# Altium PCB BMS_Slave_12S V0.1.PcbDoc (part 1 of 2)
Units mm, origin at the board's own origin, x right, y up, seen from the top; angles counter-clockwise.
Board outline 54 x 106.3 mm, 4 copper layers (Top Layer, Int1 (GND), Int2 (PWR), Bottom Layer), stack 1.56 mm thick; 199 components, 148 nets, 515 pads, 193 vias.
Unrouted connection lines stored in the file: 50.
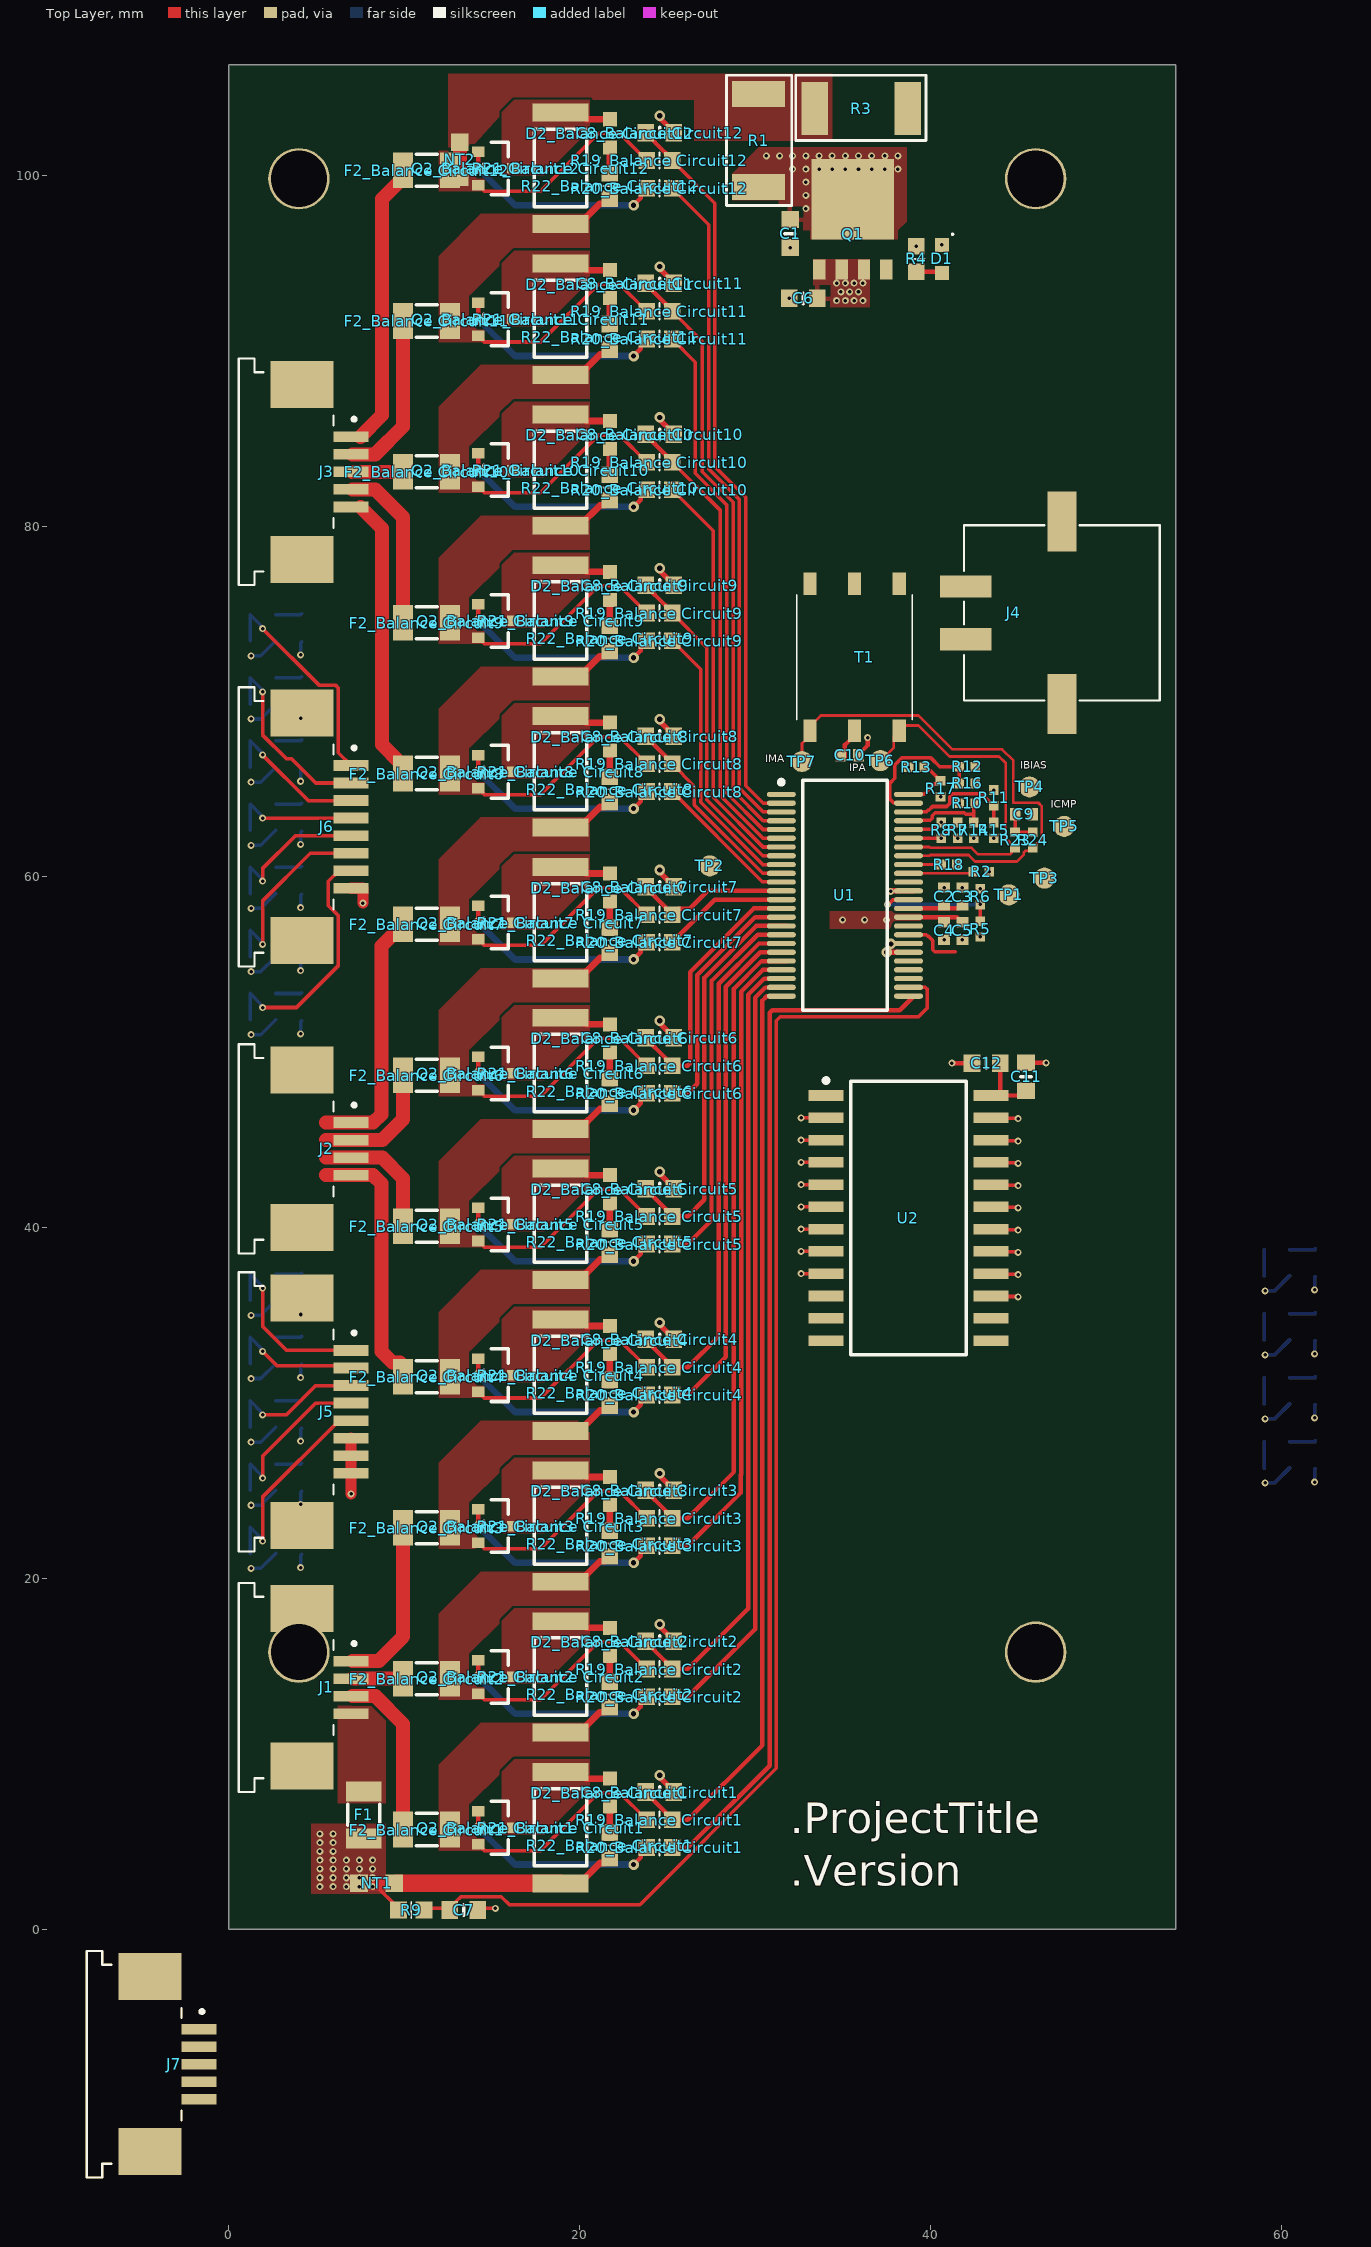
[diagram p0: Top Layer view]
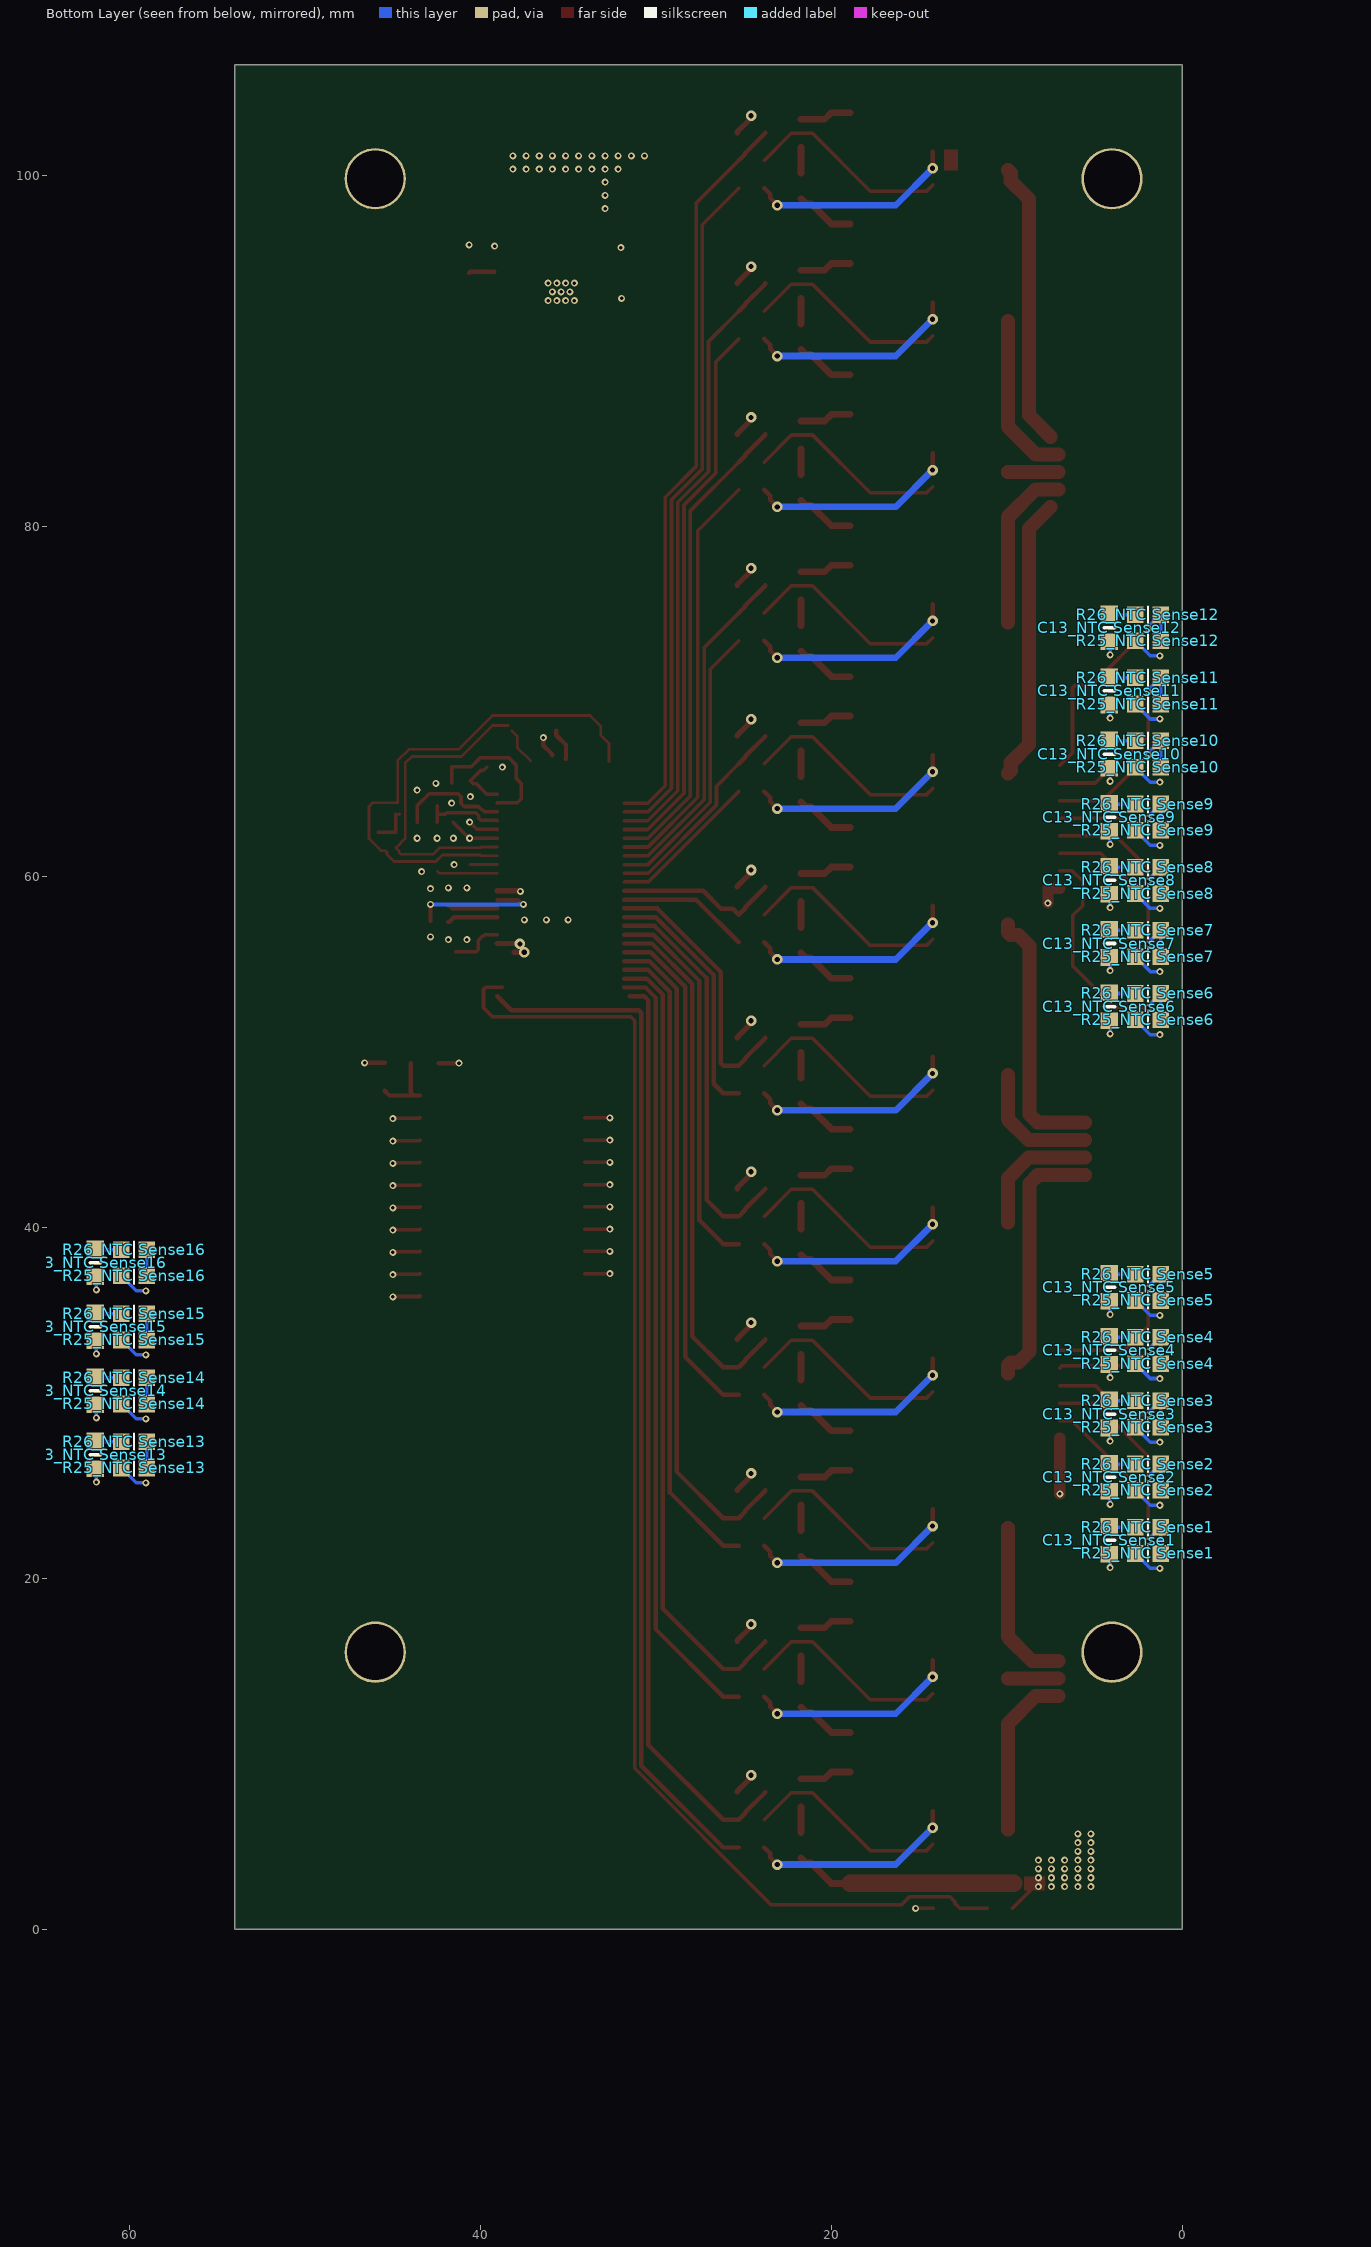
[diagram p1: Bottom Layer view, seen from below]
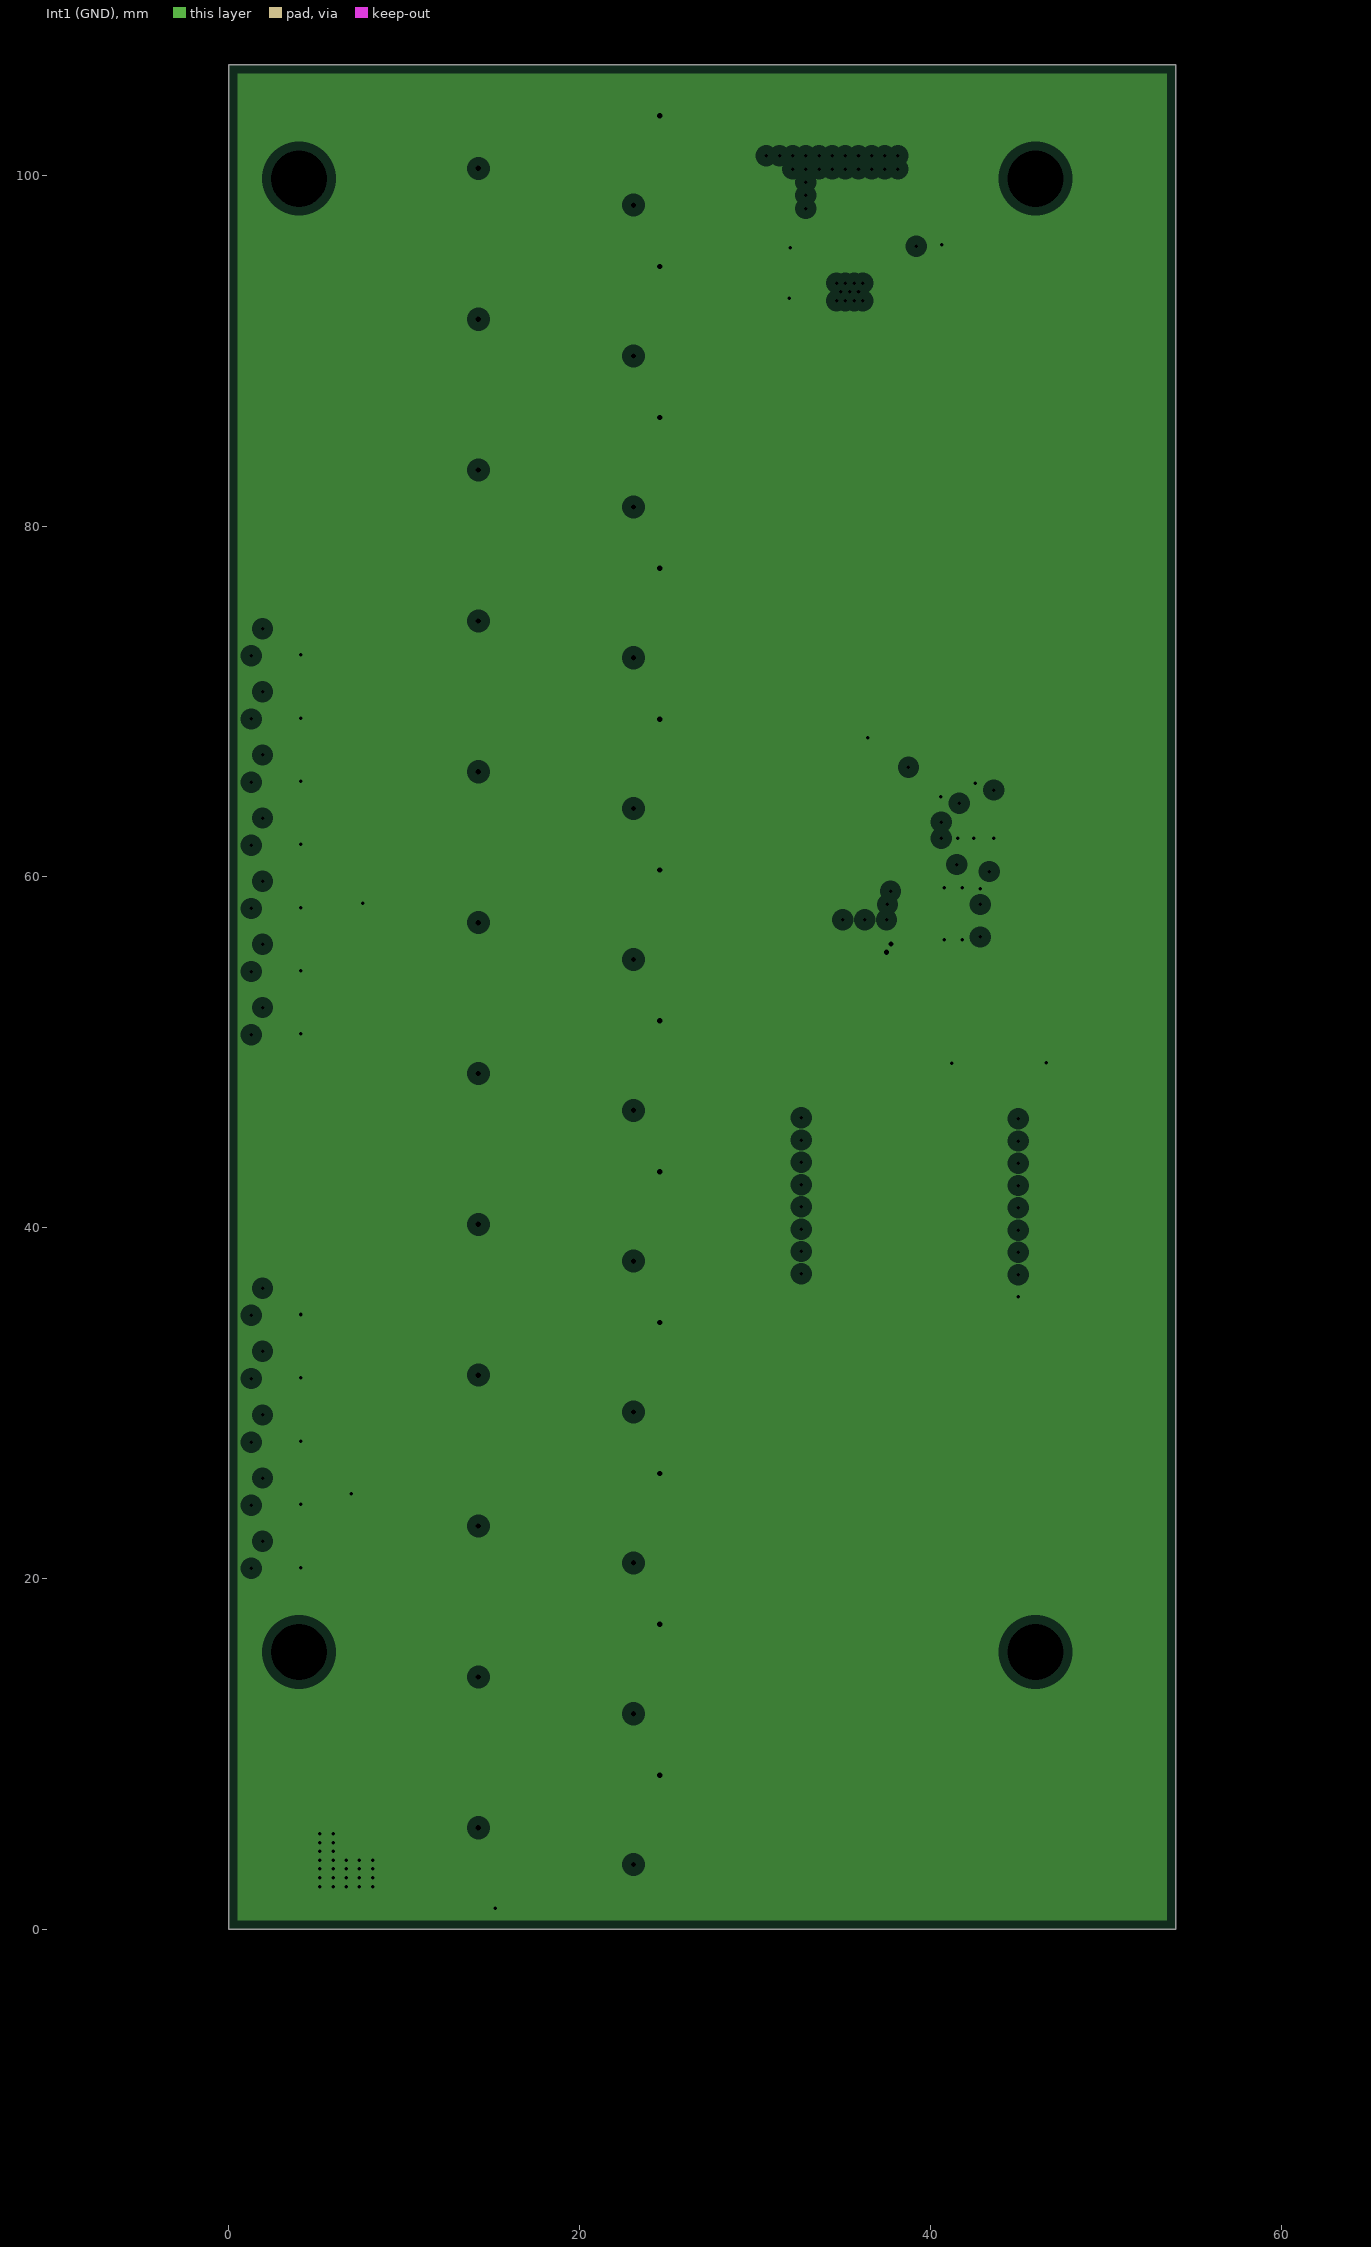
[diagram p2: Int1 (GND), clearances drawn from the general rule]
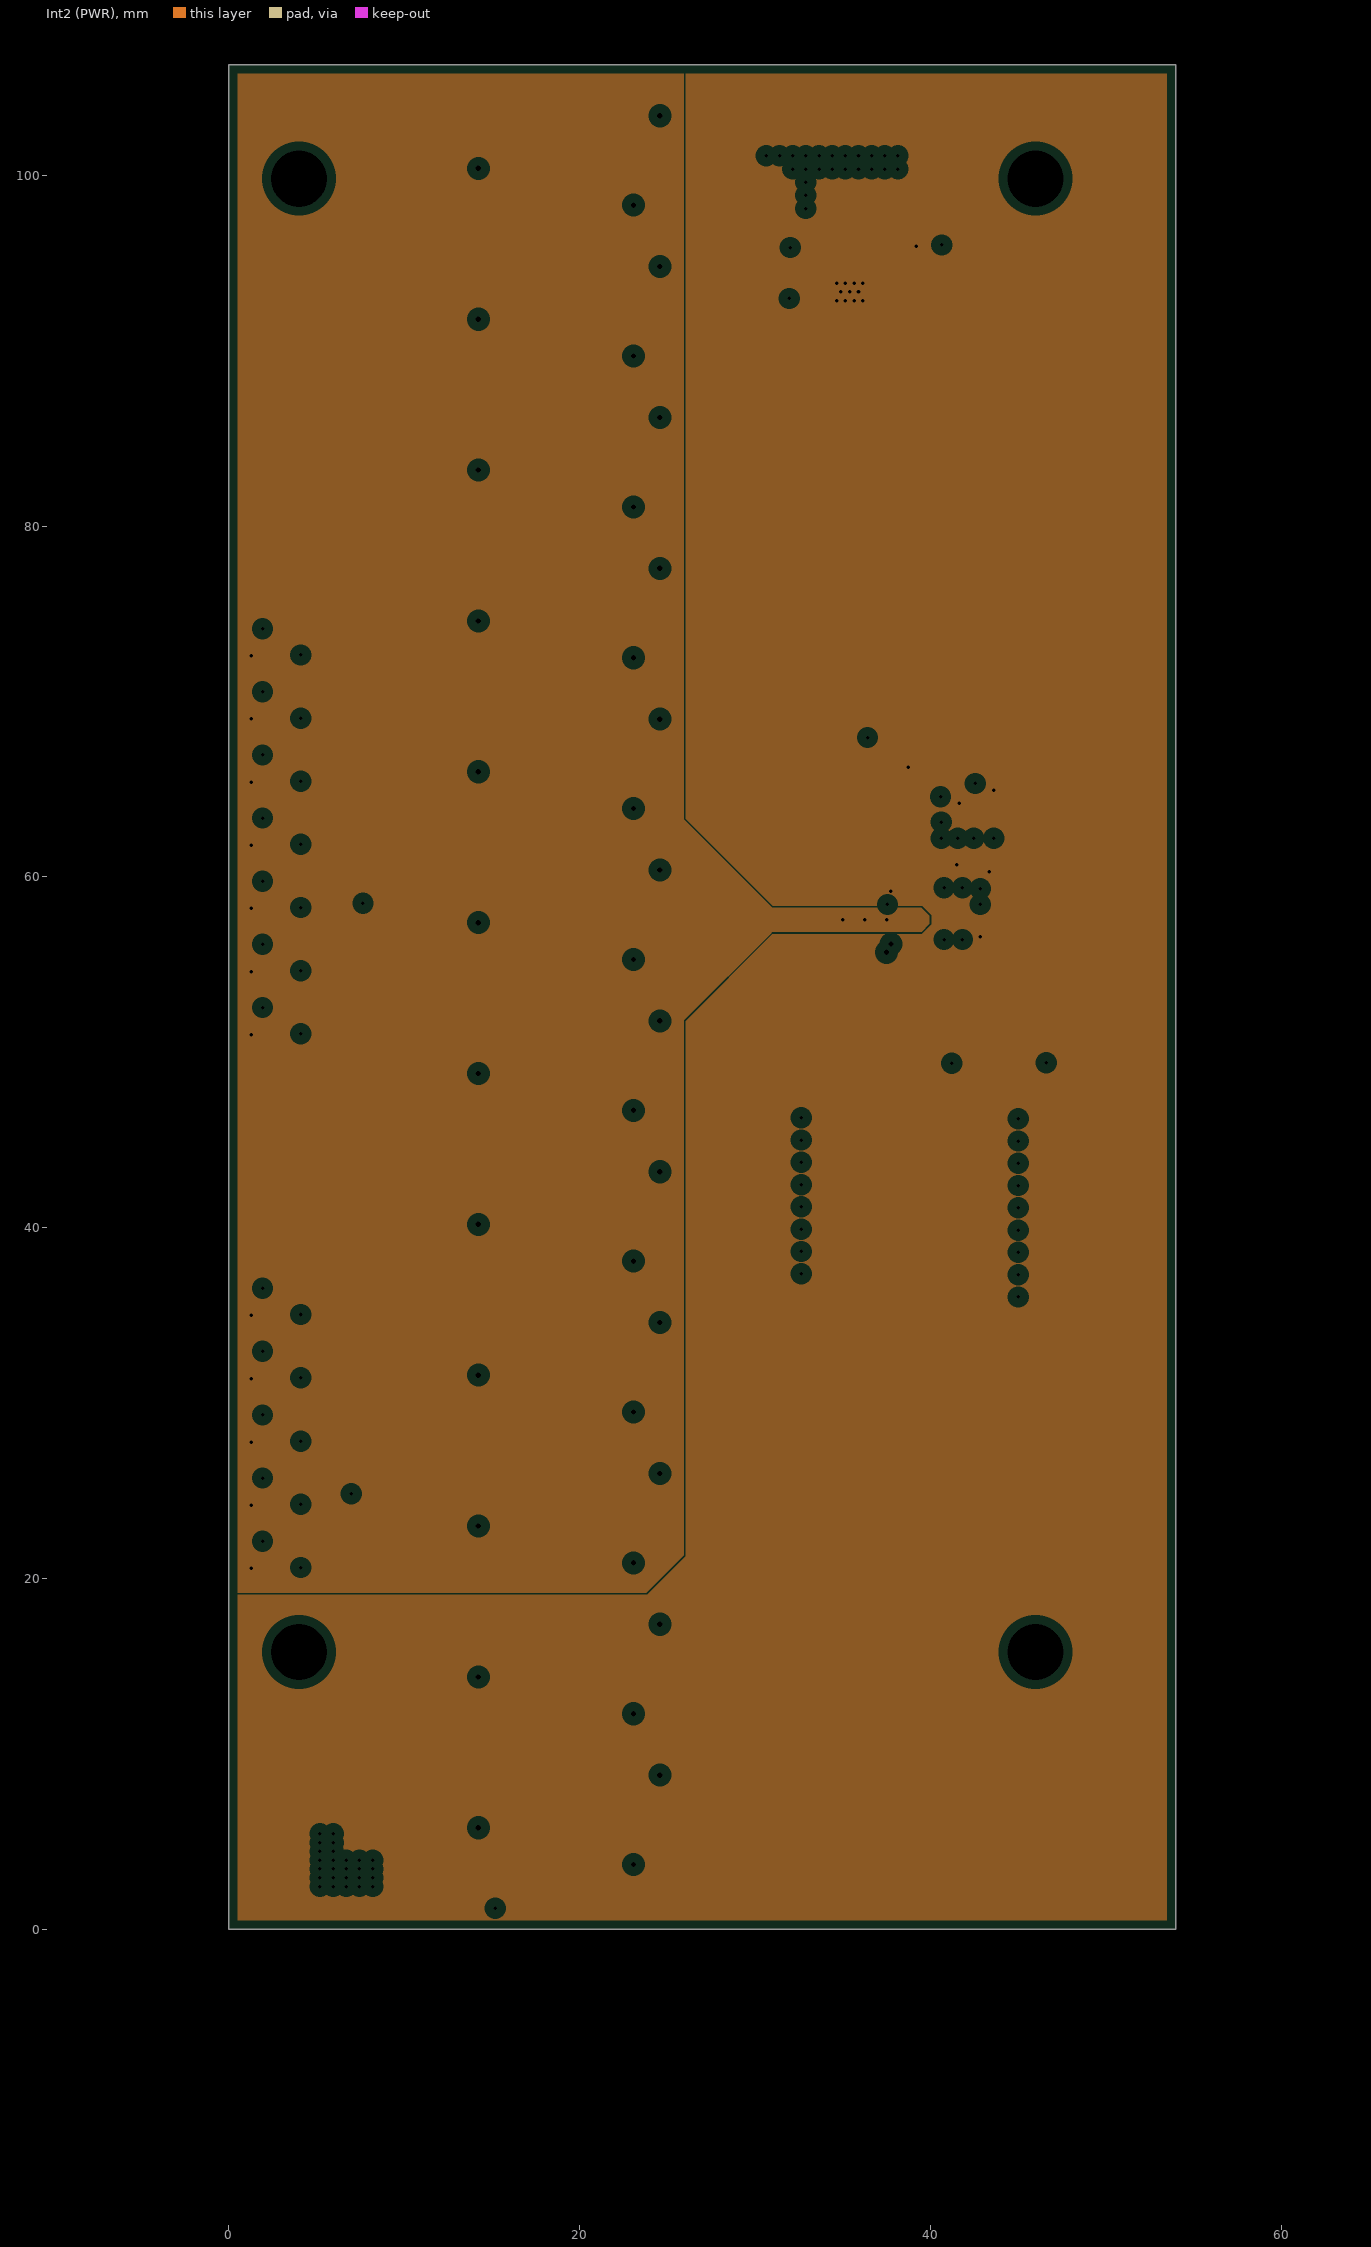
[diagram p3: Int2 (PWR), clearances drawn from the general rule]
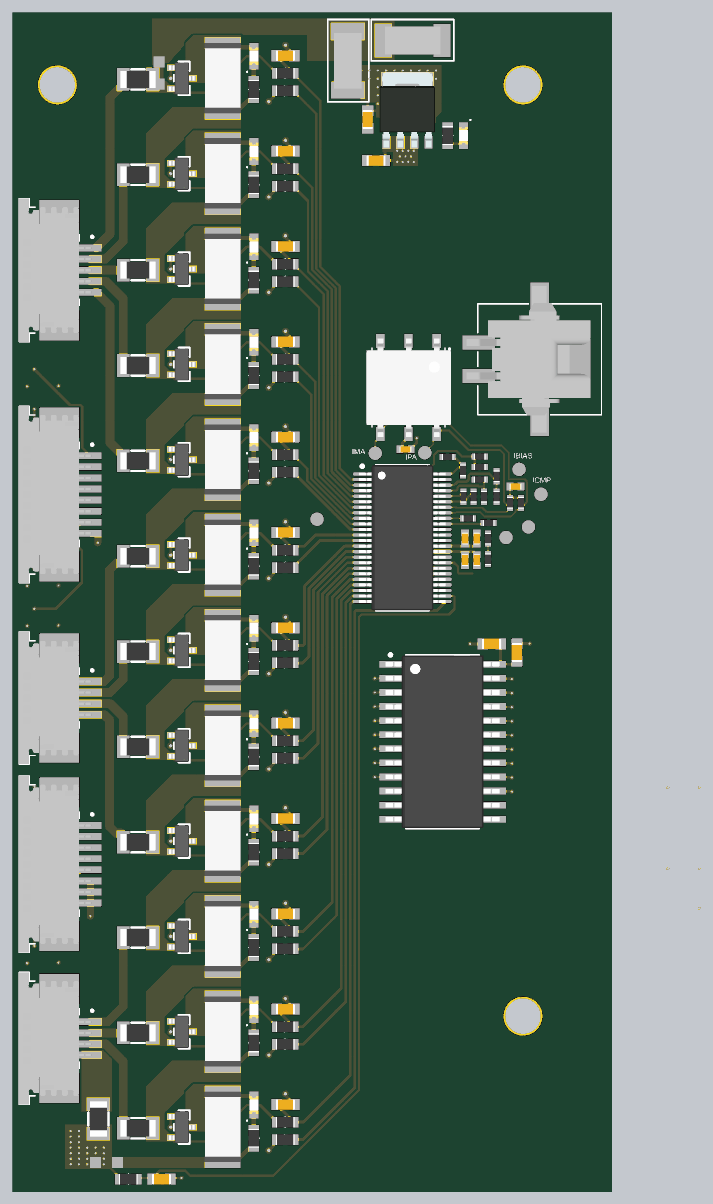
[diagram p5: 3D render of the assembled board from above, using the file's embedded part models]
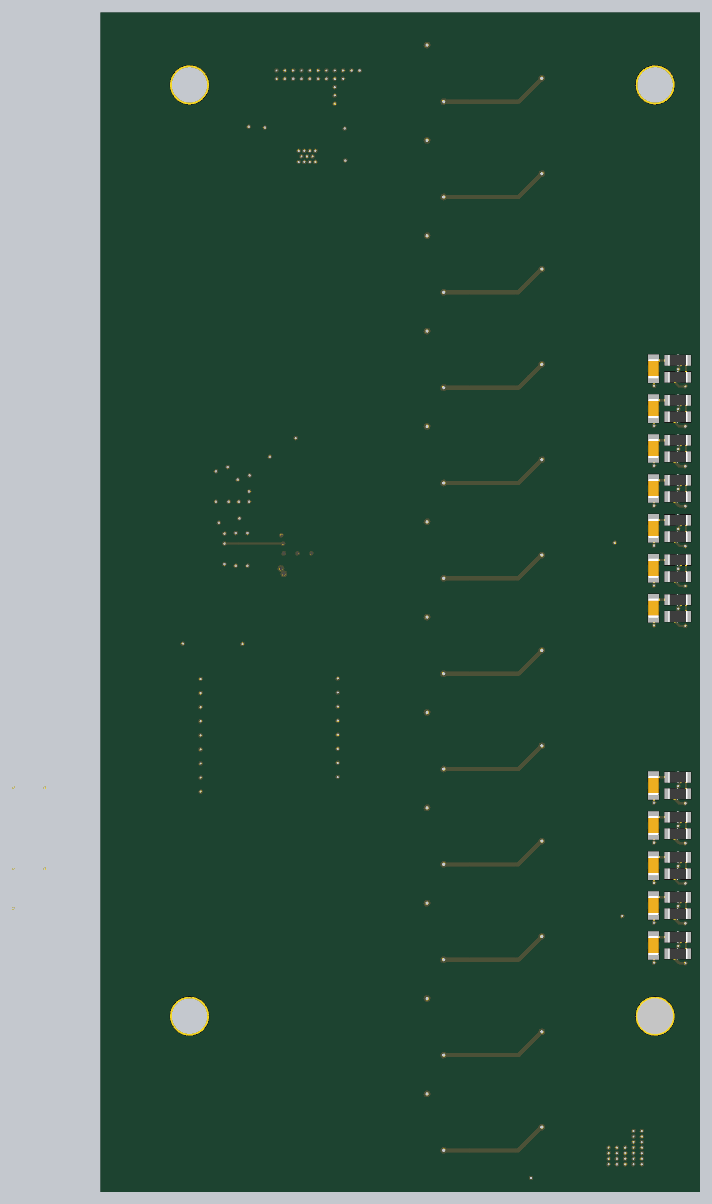
[diagram p6: 3D render of the assembled board from below, using the file's embedded part models]

## Layer stack, top to bottom
Top Solder: solder mask 0.0254, SM-001, Dk 4
Top Layer: signal copper 0.035
Dielectric 2: prepreg 0.11, PP-017, Dk 4.29
Int1 (GND): plane copper 0.035, net GND
Dielectric 3: core 1.2, Core-039, Dk 4.29
Int2 (PWR): plane copper 0.035, net 5V0
Dielectric 4: prepreg 0.11, PP-017, Dk 4.29
Bottom Layer: signal copper 0.035
Bottom Solder: solder mask 0.0254, SM-001, Dk 4

## Board outline
0,0 0,106.3 54,106.3 54,0

## Design rules (kind name [scope] priority, off if disabled: settings)
BoardOutlineClearance BoardOutlineClearance_Silk [OnLayer('Top Overlay') or OnLayer('Bottom Overlay')] p1: gap=0 ignorepadtopadclearanceinfootprint=FALSE
BoardOutlineClearance [All] p2: gap=0.5 ignorepadtopadclearanceinfootprint=FALSE except(0: Arc-SplitContinuation Track-SplitContinuation SMDPad-SplitContinuation THPad-SplitContinuation Via-SplitContinuation Fill-SplitContinuation Poly-SplitContinuation Region-SplitContinuation Text-SplitContinuation)
Clearance Clearance_NT [HasFootprint('NetTie')] p1: gap=0 ignorepadtopadclearanceinfootprint=FALSE
Clearance [All] p2: gap=0.152 ignorepadtopadclearanceinfootprint=FALSE
ComponentClearance ComponentClearance-NT [HasFootprint('NetTie')] p1: gap=0 collisioncheckmode=3 verticalgap=0 showdistances=FALSE
ComponentClearance [All] p2: gap=0.254 collisioncheckmode=3 verticalgap=0.254 showdistances=FALSE
DiffPairsRouting [InDifferentialPairClass('isoSPI')] p1: maxlimit=0.254 minlimit=0.254 mostfreqgap=0.254 toplayer_minwidth=0.152 toplayer_maxwidth=0.152 toplayer_prefwidth=0.152 bottomlayer_minwidth=0.152 bottomlayer_maxwidth=0.152 bottomlayer_prefwidth=0.152 impedanceprofiledriven=TRUE impedanceprofileid={1BC84866-0E51-48B1-BDBB-AED9452DC2EB} impedanceprofilevalue=100.000000 maxuncoupledlength=50
HoleSize [All] p1: absolutevalues=TRUE maxlimit=6.3 minlimit=0.2 maxpercent=80.000 minpercent=20.000
HoleToHoleClearance [All] p1: gap=0.279 allowstackedmicrovias=TRUE
MinimumAnnularRing [All] p1: minimumring=0.152
MinimumSolderMaskSliver [All] p1: minsoldermaskwidth=0.102
PlaneClearance [All] p1: clearance=0.508
PlaneConnect [All] p1: planeconnectstyle=Direct reliefexpansion=0.508 reliefentries=4 reliefconductorwidth=0.254 reliefairgap=0.254
PolygonConnect PolygonConnect-Passive [HasFootprint('C-0402') or HasFootprint('R_0402') or HasFootprint('C_0603') or HasFootprint('R-0603')] p1: thpad.connectstyle=Direct thpad.reliefconductorwidth=0.254 thpad.reliefentries=4 thpad.polygonreliefangle="90 Angle" thpad.airgapwidth=0.254 smdpad.connectstyle=Relief smdpad.reliefconductorwidth=0.254 smdpad.reliefentries=4 smdpad.polygonreliefangle="90 Angle" smdpad.airgapwidth=0.254 via.connectstyle=Direct via.reliefconductorwidth=0.254 via.reliefentries=4 via.polygonreliefangle="90 Angle" via.airgapwidth=0.254
PolygonConnect "Power Connect" [All] p2: connectstyle=Direct reliefconductorwidth=0.254 reliefentries=4 polygonreliefangle="90 Angle" airgapwidth=0.254
PolygonConnect [All] p3: thpad.connectstyle=Direct thpad.reliefconductorwidth=0.254 thpad.reliefentries=4 thpad.polygonreliefangle="90 Angle" thpad.airgapwidth=0.254 smdpad.connectstyle=Relief smdpad.reliefconductorwidth=0.254 smdpad.reliefentries=4 smdpad.polygonreliefangle="90 Angle" smdpad.airgapwidth=0.254 via.connectstyle=Direct via.reliefconductorwidth=0.254 via.reliefentries=4 via.polygonreliefangle="90 Angle" via.airgapwidth=0.254
RoomDefinition "Balance Circuit3" [InComponentClass('Balance Circuit3')] p1: confinementstyle=ConfineIn formatcopy=TRUE lockcomponents=FALSE outline 8.675,18.69 26.375,18.69 26.375,27.29 8.675,27.29
RoomDefinition "NTC Sense6" [InComponentClass('NTC Sense6')] p2: confinementstyle=ConfineIn formatcopy=TRUE lockcomponents=FALSE outline 0.2,50.8 5.2,50.8 5.2,54.4 0.2,54.4
RoomDefinition "NTC Sense5" [InComponentClass('NTC Sense5')] p3: confinementstyle=ConfineIn formatcopy=TRUE lockcomponents=FALSE outline 0.2,34.8 5.2,34.8 5.2,38.4 0.2,38.4
RoomDefinition "NTC Sense1" [InComponentClass('NTC Sense1')] p4: confinementstyle=ConfineIn formatcopy=TRUE lockcomponents=FALSE outline 0.2,20.375 5.2,20.375 5.2,23.975 0.2,23.975
RoomDefinition "NTC Sense2" [InComponentClass('NTC Sense2')] p5: confinementstyle=ConfineIn formatcopy=TRUE lockcomponents=FALSE outline 0.2,23.975 5.2,23.975 5.2,27.575 0.2,27.575
RoomDefinition "NTC Sense3" [InComponentClass('NTC Sense3')] p6: confinementstyle=ConfineIn formatcopy=TRUE lockcomponents=FALSE outline 0.2,27.575 5.2,27.575 5.2,31.175 0.2,31.175
RoomDefinition "NTC Sense4" [InComponentClass('NTC Sense4')] p7: confinementstyle=ConfineIn formatcopy=TRUE lockcomponents=FALSE outline 0.2,31.2 5.2,31.2 5.2,34.8 0.2,34.8
RoomDefinition "NTC Sense9" [InComponentClass('NTC Sense9')] p8: confinementstyle=ConfineIn formatcopy=TRUE lockcomponents=FALSE outline 0.2,61.6 5.2,61.6 5.2,65.2 0.2,65.2
RoomDefinition "NTC Sense10" [InComponentClass('NTC Sense10')] p9: confinementstyle=ConfineIn formatcopy=TRUE lockcomponents=FALSE outline 0.2,65.2 5.2,65.2 5.2,68.8 0.2,68.8
RoomDefinition "NTC Sense11" [InComponentClass('NTC Sense11')] p10: confinementstyle=ConfineIn formatcopy=TRUE lockcomponents=FALSE outline 0.2,68.8 5.2,68.8 5.2,72.4 0.2,72.4
RoomDefinition "NTC Sense12" [InComponentClass('NTC Sense12')] p11: confinementstyle=ConfineIn formatcopy=TRUE lockcomponents=FALSE outline 0.2,72.4 5.2,72.4 5.2,76 0.2,76